# Altium PCB BytePipe_x9002_HDK_Rev2.PcbDoc (part 4 of 5) (continued)
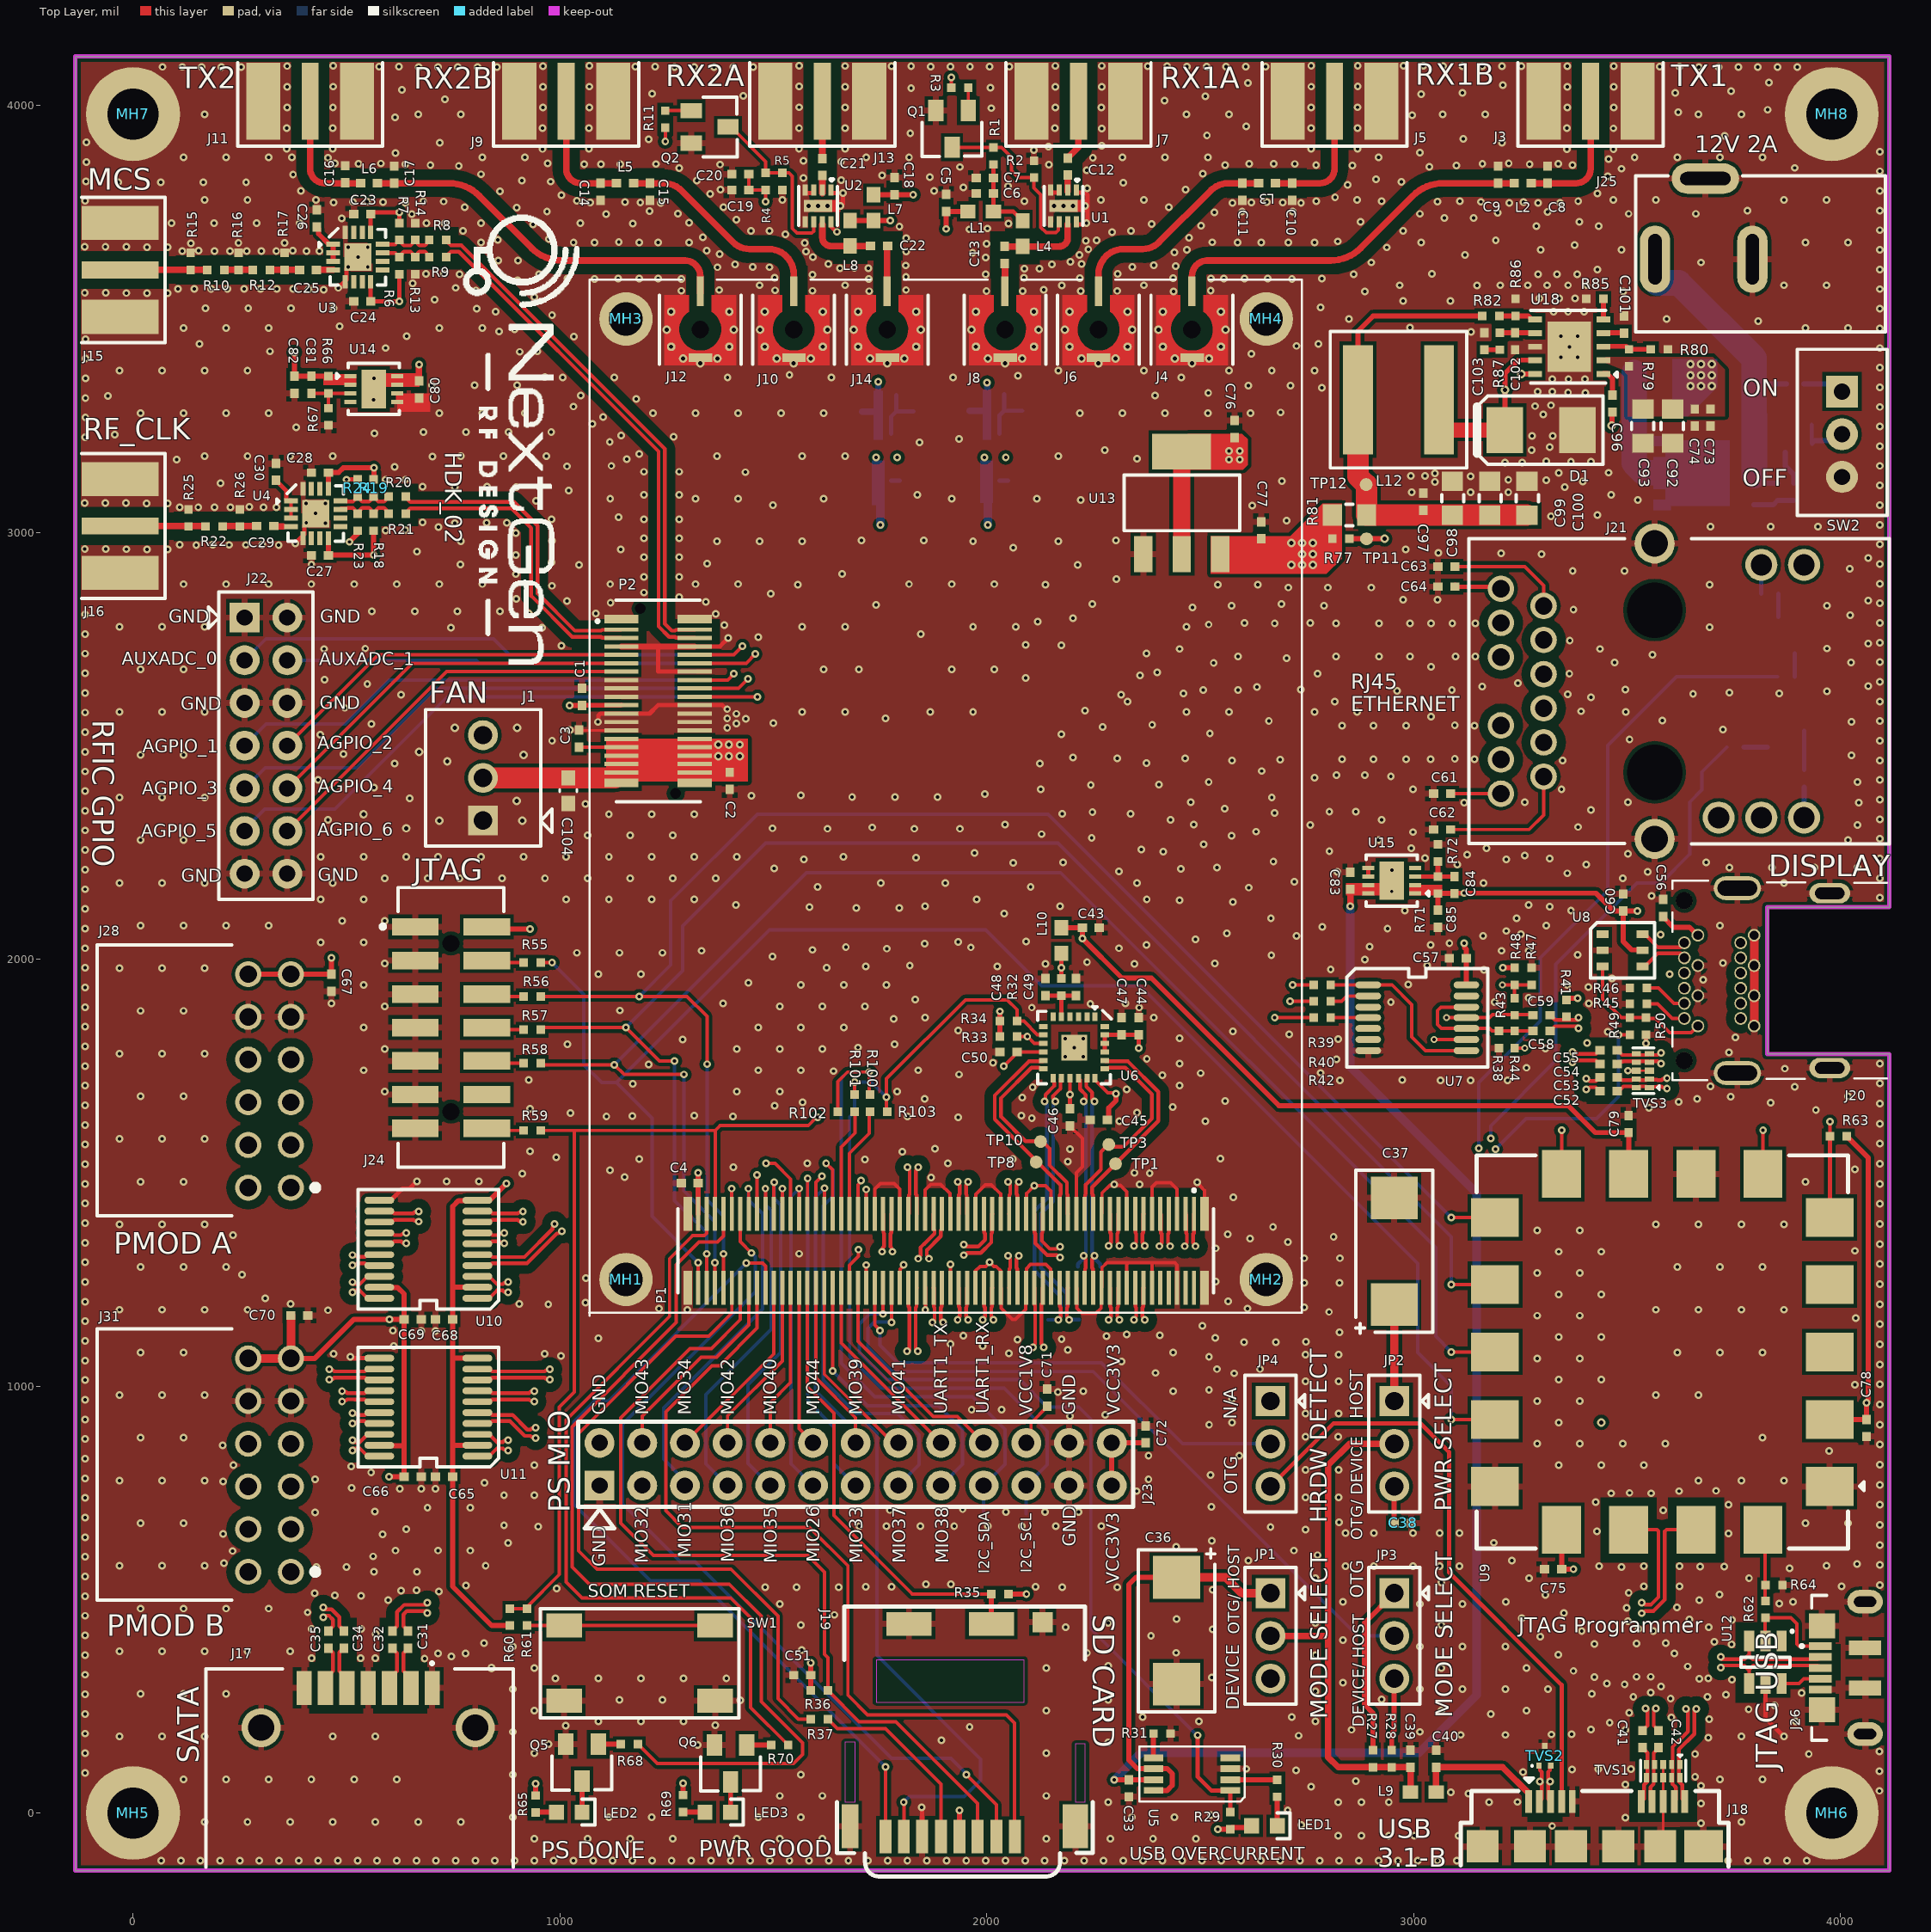
[diagram p0: Top Layer view]
## Nets (pads, with @x,y where several pads share a name; then routed paths per layer and width w, separated by ;. In a path a pad name is that pad's centre, name@x,y a point inside that pad or via, vN(x,y) a via of type N, cw(c..) or ccw(c..) an arc to the next point about the centre after c; other vN are vias at no path point) (continued)
  Top Layer w8: J24.14@829,1599 R59.2@915,1599
NetJ26_1: J26.1 R62.1 U12.2 | length 237.9
  Top Layer w8: U12.2@3824,403.06 3824,457 3884,457 3898,443 3898,396 3903,391 J26.1@3953,391
NetJ26_4: J26.4 U12.6 | length 95.5
  Top Layer w8: U12.6@3862.03,303.03 3903.03,303.03 3914,314 J26.4@3953,314
NetJP3_1: JP3.1 R27.2 | length 405.3
  Top Layer w12: R27.2@2905,147 2905,234 2885,254 2885,445 JP3.1@2955,515
NetJP3_3: JP3.3 R28.1 | length 170.5
  Top Layer w12: R28.1@2949,147 2949,187 2955,193 JP3.3@2955,315
NetLED1_1: LED1.1 R30.1 | length 68
  Top Layer w12: LED1.1@2681,-30 R30.1@2681,38
NetLED2_1: LED2.1 Q5.3 | length 73
  Top Layer w12: LED2.1@1052,2 Q5.3@1052,75
NetLED2_2: LED2.2 R65.2 | length 49
  Top Layer w12: R65.2@943,2 LED2.2@992,2
NetLED3_1: LED3.1 Q6.3 | length 71
  Top Layer w12: LED3.1@1400,2 Q6.3@1400,73
NetLED3_2: LED3.2 R69.2 | length 51
  Top Layer w12: R69.2@1289,2 LED3.2@1340,2
NetQ1_1: Q1.1 R3.2 | length 53.7
  Top Layer w8: Q1.1@1957,3988.31 R3.2@1957,4042
NetQ1_3: Q1.3 R1.2 R2.2 U1.6 | length 432.3
  Top Layer w8: Q1.3@1918.86,3902.17 1919.03,3902 R1.2@2016,3902 2035,3902 2058,3879 2058,3847.76 2074.76,3831 R2.2@2111,3831 2111,3807 2127,3791 2127,3714.86 2139.86,3702 2162,3702 2168,3708 2168,3726 U1.6@2170,3728
NetQ2_1: Q2.1 R11.2 | length 61
  Top Layer w8: R11.2@1247,3988 Q2.1@1308,3988
NetQ2_3: Q2.3 R4.2 R5.2 U2.6 | length 408.7
  Top Layer w8: Q2.3@1394,3950 1401,3950 1482,3869 R4.2@1482,3842 R5.2@1521,3842 1537,3842 1545,3834 1545,3712 1556,3701 1590.31,3701 1595,3705.69 U2.6@1595,3721
NetQ3_1: Q3.1 R52.1 | length 55
  Bottom Layer w12: R52.1@3774,2497 Q3.1@3829,2497
NetQ3_3: Q3.3 R51.1 | length 92
  Bottom Layer w10: R51.1@3915,2443 Q3.3@3915,2535
NetQ4_1: Q4.1 R54.1 | length 54
  Bottom Layer w10: R54.1@3893,2662 Q4.1@3893,2716
NetQ4_3: Q4.3 R53.1 | length 54
  Bottom Layer w10: Q4.3@3855,2802 R53.1@3855,2856
NetQ5_1: Q5.1 R68.1 | length 53
  Top Layer w12: Q5.1@1090,161 R68.1@1143,161
NetQ6_1: Q6.1 R70.1 | length 57
  Top Layer w12: Q6.1@1438,159 R70.1@1495,159
NetQ7_4: Q7.4 R78.2 R83.1 | length 97.6
  Bottom Layer w12: Q7.4@3797.56,3065 3837,3065 3843,3065 R78.2@3853,3075 R83.1@3891,3075
NetQ8_1: Q8.1 R88.1 SW2.2 | length 115.3
  Bottom Layer w10: Q8.1@3933,3213 R88.1@3933,3252
  Bottom Layer w12: Q8.1@3933.97,3208.97 3939.97,3214.97 3994.97,3214.97 SW2.2@4004,3224
NetQ8_3: Q8.3 R83.2 | length 81.3
  Bottom Layer w12: Q8.3@3871,3188 3871,3156 3891,3136 R83.2@3891,3115
NetR10_1: R10.1 R12.2 R16.1 | length 67
  Top Layer w15.35: R10.1@214,3615 R16.1@247,3615 R12.2@281,3615
NetR30_2: R30.2 U5.2 | length 110
  Top Layer w12: U5.2@2571,78 R30.2@2681,78
NetR31_1: R31.1 U5.5 | length 57
  Top Layer w12: U5.5@2391,129 R31.1@2391,186
NetR40_1: R40.1 U7.2 | length 93
  Top Layer w8: R40.1@2806,1902 2832,1902 2844,1914 U7.2@2894,1914
NetR42_1: R42.1 U7.4 | length 88
  Top Layer w8: R42.1@2806,1863 U7.4@2894,1863
NetR43_2: R43.2 R44.2 R47.2 R48.2 | length 293
  Top Layer w8: v3@3209,1940 R48.2@3237,1940 ; R44.2@3237,1792 v3(3261,1792) ; R43.2@3237,1909 R48.2@3237,1940 ; R47.2@3277,1940 R48.2@3237,1940
  L3-SIG w8: v3(3208,1940) 3261,1887 v3(3261,1792)
NetR61_1: R61.1 SW1.1 SW1.2 | length 423
  Top Layer w8: R61.1@923,439 SW1.2@992,439 ; SW1.2@1010,439 SW1.1@1364,439
NetR62_2: R62.2 R64.1 U9.18 | length 181
  Top Layer w8: R62.2@3824,497 3824,534 3824,663 U9.18@3839,663
NetR77_2: R77.2 TP11.1 U18.10 | length 681.8
  Top Layer w12: R77.2@2850,2985 TP11.1@2889.97,2985.03 ; TP11.1@2889.97,2985.03 v2@2931.97,2985.03 ; v2@3253.73,3371.27 3254,3371 U18.10@3285,3371
  L3-SIG w12: v2(2932,2985) 2932,3123 3188.03,3379.03 3242.8,3379.03 3250.84,3371 v2(3253,3371)
NetR79_1: R79.1 R80.2 U18.3 | length 113.9
  Top Layer w12: U18.3@3445,3436 3498,3436 R79.1@3505,3429 R80.2@3556,3429
NetR82_1: R82.1 R86.1 U18.6 | length 86.9
  Top Layer w12: R82.1@3201,3507 R86.1@3239,3507 3269,3507 3276,3500 U18.6@3285,3500
NetR84_2: R84.2 SW2.1 | length 99.9
  Bottom Layer w12: R84.2@3914,3348 3980,3348 SW2.1@4004,3324
NetR85_1: R85.1 U18.5 | length 47
  Top Layer w12: U18.5@3445,3500 R85.1@3445,3547
PMOD_A0_N: J28.2 U10.18 | length 748.4
  Top Layer w8.75: v1@515.24,1238.87 531.39,1238.87 549.51,1257 U10.18@577,1257
  L6-SIG w5.5: J28.2@370,1565 376.08,1558.92 376.08,1526.24 381.57,1520.75 445.51,1520.75 462.5,1503.76 462.5,1440.2 396.78,1374.48 340.48,1374.48 313.5,1347.5 313.5,1274.76 350.98,1237.29 504.39,1237.29 510.64,1243.54 v1(513.86,1243.54)
PMOD_A0_P: J28.1 U10.20 | length 769
  Top Layer w8.75: v1@515.24,1224.12 531.39,1224.12 549.51,1206 U10.20@577,1206
  L6-SIG w5.5: J28.1@370,1465 376.08,1471.08 376.08,1503.76 381.57,1509.25 440.75,1509.25 451,1499 451,1444.96 392.02,1385.98 335.72,1385.98 302,1352.26 302,1270 346.21,1225.79 397,1225.79 402,1220.79 402,1214 406,1210 421,1210 425,1214 425,1220 430.79,1225.79 504.39,1225.79 510.64,1219.54 v1(513.86,1219.54)
PMOD_A1_N: J28.4 U10.16 | length 714.2
  Top Layer w8.75: v1(514,1307) 515.77,1305.23 523.06,1305.23 525.66,1302.62 542.66,1302.62 548.04,1308 U10.16@577,1308
  L6-SIG w5.5: J28.4@370,1765 370,1723.97 373.22,1720.75 428.51,1720.75 452.26,1697 461,1697 466,1702 471,1702 478,1695 478,1689 473,1684 473,1676.26 516.78,1632.48 516.78,1401.14 465,1349.35 465,1310.07 474.32,1300.75 504.53,1300.75 510.78,1307 v1(514,1307)
PMOD_A1_P: J28.3 U10.17 | length 692.3
  Top Layer w8.75: v1(514,1283) 515.77,1284.77 523.06,1284.77 526.16,1287.88 542.66,1287.88 548.04,1282.5 U10.17@577,1282.5
  L6-SIG w5.5: J28.3@370,1665 370,1706.03 373.22,1709.25 423.75,1709.25 505.28,1627.72 505.28,1405.9 453.5,1354.12 453.5,1305.3 469.56,1289.25 504.53,1289.25 510.78,1283 v1(514,1283)
PMOD_A2_N: J28.8 U10.14 | length 711.4
  Top Layer w8.75: U10.14@577,1359 605.96,1359 611.34,1353.62 627.84,1353.62 630.94,1356.73 638.23,1356.73 v1(640,1358.5)
  L3-SIG w5.5: J28.8@270,1565 270,1523.97 273.22,1520.75 482.51,1520.75 498.5,1504.76 498.5,1466.24 454.13,1421.87 454.13,1383.13 484.76,1352.5 561.5,1352.5 567,1358 567,1367 571,1371 585,1371 590,1366 590,1357.5 595,1352.5 630.78,1352.5 636.78,1358.5 v1(640,1358.5)
PMOD_A2_P: J28.7 U10.15 | length 685.8
  Top Layer w8.75: U10.15@577,1333.5 605.96,1333.5 611.34,1338.87 628.34,1338.87 630.94,1336.27 638.23,1336.27 v1(640,1334.5)
  L3-SIG w5.5: J28.7@270,1465 270,1506.03 273.22,1509.25 477.75,1509.25 487,1500 487,1471 442.63,1426.63 442.63,1378.37 480,1341 630.28,1341 636.78,1334.5 v1(640,1334.5)
PMOD_A3_N: J28.10 U10.12 | length 769.9
  Top Layer w8.75: U10.12@577,1410 605.96,1410 611.34,1404.62 656.8,1404.62 659.9,1407.73 667.19,1407.73 v1(668.96,1409.5)
  L3-SIG w5.5: J28.10@270,1765 270,1723.97 273.22,1720.75 413.51,1720.75 454.13,1680.13 463.13,1680.13 468,1685 474,1685 482,1677 482,1672 477,1667 477,1657.26 548.98,1585.29 548.98,1456.29 602.01,1403.25 659.49,1403.25 665.74,1409.5 v1(668.96,1409.5)
PMOD_A3_P: J28.9 U10.13 | length 747
  Top Layer w8.75: U10.13@577,1384.5 605.96,1384.5 611.34,1389.88 657.3,1389.88 659.9,1387.27 667.19,1387.27 v1(668.96,1385.5)
  L3-SIG w5.5: J28.9@270,1665 270,1706.03 273.22,1709.25 408.75,1709.25 537.48,1580.52 537.48,1451.52 597.25,1391.75 659.49,1391.75 665.74,1385.5 v1(668.96,1385.5)
PMOD_B0_N: J31.2 U11.18 | length 469.7
  Top Layer w8.75: v1@515.24,868.87 531.39,868.87 549.51,887 U11.18@577,887
  L6-SIG w5.5: J31.2@370,665 380.61,654.39 380.61,626.24 386.1,620.75 448.49,620.75 466.92,639.18 466.92,838.93 495.07,867.08 504.18,867.08 510.64,873.54 v1(513.86,873.54)
PMOD_B0_P: J31.1 U11.20 | length 469.5
  Top Layer w8.75: v1@515.24,854.12 531.39,854.12 549.51,836 U11.20@577,836
  L6-SIG w5.5: J31.1@370,565 380.61,575.61 380.61,603.76 386.1,609.25 453.25,609.25 478.42,634.42 478.42,834.17 499.83,855.58 504.43,855.58 510.48,849.54 v1(513.86,849.54)
PMOD_B1_N: J31.4 U11.16 | length 342.5
  Top Layer w8.75: v1(514,937) 515.77,935.23 523.06,935.23 525.66,932.62 542.66,932.62 548.04,938 U11.16@577,938
  L6-SIG w5.5: J31.4@370,865 378.23,856.77 378.23,826.24 383.72,820.75 416.15,820.75 427.76,832.37 427.76,912.71 445.8,930.75 504.53,930.75 510.78,937 v1(514,937)
PMOD_B1_P: J31.3 U11.17 | length 342.7
  Top Layer w8.75: v1(514,913) 515.77,914.77 523.06,914.77 526.16,917.88 542.66,917.88 548.04,912.5 U11.17@577,912.5
  L6-SIG w5.5: J31.3@370,765 378.23,773.23 378.23,803.76 383.72,809.25 420.91,809.25 439.26,827.6 439.26,907.95 450.56,919.25 504.53,919.25 510.78,913 v1(514,913)
PMOD_B2_N: J31.8 U11.14 | length 697.5
  Top Layer w8.75: v1(489.62,988.37) 491.39,986.6 498.68,986.6 501.54,983.74 525.15,983.74 525.26,983.62 542.66,983.62 548.04,989 U11.14@577,989
  L3-SIG w5.5: J31.8@270,665 270,623.97 273.22,620.75 401.9,620.75 458.12,676.96 458.12,714.88 439,734 439,746.88 458.12,766 458.12,977.12 463.12,982.12 480.15,982.12 486.4,988.37 v1(489.62,988.37)
PMOD_B2_P: J31.7 U11.15 | length 678.7
  Top Layer w8.75: v1(489.62,964.37) 491.39,966.14 498.68,966.14 501.54,968.99 519.04,968.99 519.15,968.87 542.66,968.87 548.04,963.5 U11.15@577,963.5
  L3-SIG w5.5: J31.7@270,565 270,606.03 273.22,609.25 406.67,609.25 469.62,672.2 469.62,967.4 472.84,970.62 480.15,970.62 486.4,964.37 v1(489.62,964.37)
PMOD_B3_N: J31.10 U11.12 | length 552.1
  Top Layer w8.75: v1(459.58,1039.28) 461.35,1037.51 468.64,1037.51 471.49,1034.65 495.1,1034.65 ; 495.13,1034.62 542.66,1034.62 548.04,1040 U11.12@577,1040
  L3-SIG w5.5: J31.10@270,865 270,823.97 273.22,820.75 410.4,820.75 423.08,833.43 423.08,1017.95 438.16,1033.03 450.11,1033.03 456.36,1039.28 v1(459.58,1039.28)
PMOD_B3_P: J31.9 U11.13 | length 552.1
  Top Layer w8.75: v1(459.58,1015.28) 461.35,1017.05 468.64,1017.05 471.49,1019.9 488.99,1019.9 ; 489.02,1019.88 542.66,1019.88 548.04,1014.5 U11.13@577,1014.5
  L3-SIG w5.5: J31.9@270,765 270,806.03 273.22,809.25 415.16,809.25 434.58,828.67 434.58,1013.18 442.92,1021.53 450.11,1021.53 456.36,1015.28 v1(459.58,1015.28)
PS_DONE: P1.113 R68.2 | length 2267.7
  Top Layer w8: R68.2@1183,161 1228,116 1548,116 1569,137 1569,164 1472,261 1472,461 1397,536 1069,536 1028.99,576.01 1028.99,904.99 1273,1149 1273,1284 1326.27,1337.27 1369.27,1337.27 1383.35,1351.35 P1.113@1383.35,1403.61
PS_JTAG_TCK: P1.114 R56.1 U9.10 | length 3701.5
  Top Layer w8: R56.1@955,1913 v1(1186,1913) 1298,1913 1344.83,1866.17 v1(1344.83,1754.17) ; P1.114@1383.19,1250.65 v1@1383.19,1309.9 ; v1@3089.03,1395 U9.10@3191,1395
  Bottom Layer w8: v1(1186,1913) 1260,1987 1260,2137 1463,2340 2144.03,2340 v1(3088.89,1395.13) ; v1(1344.83,1754.17) 1344.83,1436.45 1383.07,1398.21 1383.07,1310.01 v1(1383.11,1309.97)
PS_JTAG_TDI: P1.116 R58.1 U9.12 | length 3712.7
  Top Layer w8: R58.1@955,1757 959,1753 v1(1128,1753) 1151,1730 v1(1291,1730) ; P1.116@1363.66,1230.39 v1@1363.66,1289.63 ; v1@3089.03,1080 U9.12@3191,1080
  Bottom Layer w8: v1(1128,1753) 1578,2203 2173.49,2203 3052.22,1324.28 3052.22,1116.81 v1(3088.89,1080.13) ; v1(1291,1730) 1291,1457.79 1363.59,1385.2 v1(1363.59,1289.7)
PS_JTAG_TDO: P1.118 R57.1 U9.11 | length 3660.6
  Top Layer w8: R57.1@955,1835 960,1840 v1(1155,1840) 1233,1762 v1(1269,1762) ; P1.118@1344.03,1250.65 v1@1344.03,1309.9 ; v1@3089.03,1238 U9.11@3191,1238
  Bottom Layer w8: v1(1155,1840) 1288,1973 1288,2078 1482,2272 2166.59,2272 3088.89,1349.69 v1(3088.89,1238.13) ; v1(1269,1762) 1269,1434.45 1343.96,1359.49 v1(1343.96,1309.97)
PS_JTAG_TMS: P1.120 R55.1 U9.13 | length 3799.7
  Top Layer w8: R55.1@955,1992 v1(982,1992) ; P1.120@1324.29,1230.39 v1@1324.29,1289.63 ; v1(3088.89,922.13) 3089.03,922 U9.13@3191,922
  Bottom Layer w8: v1(982,1992) 1056,1918 1056,1753 1098,1711 1133,1711 ; v1(1324.22,1289.7) 1216.22,1397.7 1216.22,1627.78 1133,1711 ; v1(3088.89,922.13) 3088.89,999.59 3009.84,1078.64 3009.84,1287.09 2358.97,1937.97 2129.03,1937.97 1998,2069 1491,2069 1133,1711
PS_SRST_N: P1.115 R59.1 R60.1 R61.2 U9.9 | length 3921.2
  Top Layer w8: R60.1@883,479 R61.2@923,479 923,482.87 998.78,558.65 998.78,950.86 1034,986.08 1034,1599 ; R59.1@955,1599 1034,1599 ; P1.115@1363.66,1403.61 1363.83,1403.78 1363.83,1599 1034,1599 ; 1363.83,1599.01 1375.82,1611 1582.29,1611 1601.29,1630 v1(1604,1630) ; U9.9@3347,1497 v1@3347,1598.97
  L6-SIG w8: v1(1604,1630) 1634.89,1599.11 v1(3347.13,1599.11)
PWR_GOOD: P1.117 R70.2 | length 1815.5
  Top Layer w8: P1.117@1343.98,1403.61 1343.98,1358.27 1338.06,1352.36 1311.36,1352.36 1257,1298 1257,1162.98 1014.99,920.97 1014.99,541.43 1052.42,504 1400,504 1446.94,457.06 1446.94,247.06 R70.2@1535,159
RF_CLK0_N: R19.2 R20.2 R24.1 U4.12 | length 145.7
  Top Layer w8.75: U4.12@486.04,3074.81 487.66,3073.19 501.91,3073.19 502.91,3072.19 515.29,3072.19 520.41,3077.31 520.41,3079.19 526.04,3084.81 531.66,3079.19 531.66,3077.31 536.79,3072.19 553.29,3072.19 558.41,3077.31 558.41,3079.19 564.04,3084.81 569.66,3079.19 569.66,3077.31 574.79,3072.19 588.29,3072.19 593.41,3077.31 593.41,3079.19 R20.2@599.04,3084.81
RF_CLK0_P: R18.2 R21.2 R23.1 U4.11 | length 145.7
  Top Layer w8.75: U4.11@486.04,3054.81 487.66,3056.44 501.91,3056.44 502.91,3057.44 515.29,3057.44 520.41,3052.31 520.41,3050.44 526.04,3044.81 531.66,3050.44 531.66,3052.31 536.79,3057.44 553.29,3057.44 558.41,3052.31 558.41,3050.44 564.04,3044.81 569.66,3050.44 569.66,3052.31 574.79,3057.44 588.29,3057.44 593.42,3052.31 593.42,3050.44 R21.2@599.04,3044.81
RF_CLK_N: P2.03 R20.1 | length 729.7
  Top Layer w8.75: R20.1@639,3084 644.62,3078.38 644.62,3076.5 649.75,3071.37 662.12,3071.37 892.48,3071.38 947.75,3016.11 947.75,2857.25 1035.14,2769.86 1097.04,2769.86 1098.88,2771.7 1142.76,2771.7 P2.03@1143.39,2772.32
RF_CLK_P: P2.05 R21.1 | length 729.7
  Top Layer w8.75: R21.1@639,3044 644.62,3049.62 644.62,3051.5 649.75,3056.62 668.23,3056.62 886.38,3056.62 933,3010 933,2851.14 1029.04,2755.11 1097.04,2755.11 1098.88,2753.26 1142.76,2753.26 P2.05@1143.39,2752.64
SATA_RX_N: C34.2 J17.5 | length 104.3
  Top Layer w8.75: C34.2@493,386 483.38,376.38 483.38,332.62 501,315 J17.5@501,293
SATA_RX_P: C35.2 J17.6 | length 104.7
  Top Layer w8.75: J17.6@451,293 451,315 468.62,332.62 468.62,375.38 C35.2@458,386
SATA_TX_N: C32.2 J17.3 | length 104.7
  Top Layer w8.75: J17.3@601,293 601,315 618.62,332.62 618.62,374.38 608,385 C32.2@608,386
SATA_TX_P: C31.2 J17.2 | length 104.7
  Top Layer w8.75: C31.2@644,386 644,385 633.38,374.38 633.38,332.62 651,315 J17.2@651,293
UART0_RX: P1.84 U9.6 | length 2435.2
  Top Layer w8: P1.84@1678.62,1230.39 1678.62,1282.92 1700,1304.3 v1(1700,1320) ; U9.6@3819,1497 v1@3819,1598.97
  L6-SIG w8: v1(1700,1320) 1772.51,1392.51 2474.31,1392.51 2494.8,1413 2661,1413 2707,1459 3209,1459 3300,1550 3660,1550 3709.11,1599.11 v1(3819.13,1599.11)
UART0_TX: P1.80 R63.2 U9.5 | length 2689.4
  Top Layer w8: P1.80@1716.99,1231.39 P1.80@1717.99,1230.39 v1@1717.99,1285.01 ; R63.2@3975.5,1583 3975.5,1592 v1(3975.5,1619.38)
  Top Layer w10: U9.5@3975,1395 3975.5,1395.5 R63.2@3975.5,1583
  L6-SIG w8: v1(1718.14,1283.77) 1718.14,1305.01 1780.54,1367.41 2489.59,1367.41 2516.18,1394 2776,1394 2802,1420 3263,1420 3313,1470 3826.12,1470 v1(3975.5,1619.38)
UART1_RX: J23.18 P1.86 | length 463.2
  Top Layer w8: P1.86@1658.94,1230.39 1658.94,1101.06 J23.18@1893,867
  Bottom Layer w8: J23.18@1891,869 J23.18@1893,867
UART1_TX: J23.20 P1.82 | length 534.8
  Top Layer w8: P1.82@1698.31,1230.39 1698.31,1104.69 1874.5,928.5 1931.5,928.5 J23.20@1993,867
  Bottom Layer w8: J23.20@1993,867 J23.20@1993,883
USB3_TX0_N: C42.2 J18.7 TVS1.4 TVS1.7 | length 135.4
  Top Layer w8.75: J18.7@3558.78,27 3555,30.78 3555,60.14 3562.88,68.02 3562.88,140.88 3574,152 C42.2@3574,153
USB3_TX0_P: C41.2 J18.6 TVS1.5 TVS1.6 | length 136.6
  Top Layer w8.75: J18.6@3533.78,27 3540,33.22 3540,66 3548.12,74.12 3548.12,140.88 3537,152 C41.2@3537,153
USB_CPEN: P1.76 R29.2 U5.1 | length 1882.2
  Top Layer w8: v1(1757.01,1169.01) 1757.19,1169.19 1757.19,1230.21 P1.76@1757.36,1230.39
  Top Layer w10: v1(2494,182) 2494,85 2526,53 U5.1@2571,53 R29.2@2571,2
  Bottom Layer w8: v1(1757.01,1169.01) 1726,1169 1702,1145 1702,1079 1766,1015 2078,1015 2141.82,951.18 2215.82,951.18 2244,923 2244,431 v1@2493.5,181.5
USB_ID: JP4.2 P1.78 | length 1150.2
  Top Layer w8: P1.78@1737.68,1230.39 1737.68,1142.86 v1(1749.96,1130.57)
  Bottom Layer w8: v1(1749.96,1130.57) 1749.96,1096.04 1791,1055 2269,1055 2459,865 JP4.2@2665,865
USB_ID_PIN: J18.4 JP4.3 | length 1435.4
  Top Layer w10: JP4.3@2665,765 2813,913 3016,913 3083.5,845.5 3083.5,563.5 3347,300 J18.4@3347,27
USB_JTAG_N: J26.2 U9.16 U12.3 | length 820.9
  Top Layer w8.75: U9.16@3504,663 3505,664 3570.5,664 3574,660.5 3574,505.88 3556,487.88 3542.63,487.88 3537.5,493 v1(3535,493) ; v1@3722,360.41 3774.41,360.41 ; 3774.91,360.41 3786.53,372.03 ; U12.3@3786.5,403 3786.53,372.03 ; J26.2@3953.5,366 3947.88,360.38 3795.12,360.38 3786.53,368.97 3786.53,372.03
  L3-SIG w5.5: v1(3535,493) 3537.72,493 3544.47,486.25 3566.01,486.25 3644.26,408 3649,408 3655,414 3666,414 3671.94,408.06 3671.94,398.81 3665.34,392.21 3665.34,386.92 3693.51,358.75 3710.53,358.75 3717.28,365.5 v1(3720,365.5)
USB_JTAG_P: J26.3 U9.17 U12.4 | length 820.9
  Top Layer w8.75: v1(3535,468) 3537.5,468 3542.63,473.12 3562.11,473.12 3588.75,499.77 3588.75,659.75 3593,664 3661,664 U9.17@3662,663 ; v1@3722,345.66 3774.34,345.66 ; 3774.84,345.66 3786.53,333.97 ; U12.4@3786.5,303 3786.53,333.97 ; J26.3@3953.5,340 3947.87,345.63 3796.13,345.63 3786.53,336.03 3786.53,333.97
  L3-SIG w5.5: v1(3535,468) 3537.72,468 3544.47,474.75 3561.25,474.75 3688.75,347.25 3710.53,347.25 3717.28,340.5 v1(3720,340.5)
USB_N: J18.2 P1.38 TVS2.1 | length 2305.1
  Top Layer w8.75: P1.38@2131.38,1230.39 2131.38,1195.39 2128.23,1192.24 2128.23,1098.85 2133.36,1093.72 v1(2133.36,1091.22) ; TVS2.1@3294,111 3296.12,108.88 3296.12,100.62 3300.62,96.12 3300.62,78.62 v1(3296,74) ; J18.2@3295,27 3300.62,32.62 v1@3300.62,72.38
  L3-SIG w5.5: v1(2133.36,1091.22) 2133.36,1088.5 2126.61,1081.75 2126.61,1034.91 2140.41,1021.11 2259.66,1021.11 2489,791.76 2489,285.47 2782.27,-7.81 3083.19,-7.81 3087.54,-3.46 3087.54,10.54 3093,16 3114,16 3117.26,12.74 3117.26,-2.26 3122.81,-7.81 3283.19,-7.81 3302.25,11.25 3302.25,64.53 3296,70.78 v1(3296,74)
USB_P: J18.3 P1.40 TVS2.2 | length 2305.5
  Top Layer w8.75: v1(2108.36,1091.22) 2108.36,1093.72 2113.48,1098.85 2113.48,1189.78 2112.32,1190.95 2112.32,1229.76 P1.40@2111.69,1230.39 ; v1@3315.38,71.88 3315.38,32.62 J18.3@3321,27 ; v1(3320,74) 3315.38,78.62 3315.38,96.12 3319.88,100.62 3319.88,108.88 TVS2.2@3322,111
  L3-SIG w5.5: v1(2108.36,1091.22) 2108.36,1088.5 2115.11,1081.75 2115.11,1030.15 2135.65,1009.61 2254.89,1009.61 2477.5,787 2477.5,280.7 2777.51,-19.31 3287.96,-19.31 3313.75,6.49 3313.75,64.53 3320,70.78 v1(3320,74)
USB_VBUS: JP3.2 P1.74 | length 1700
  Top Layer w8: v1(1776.94,1149.03) 1776.94,1230.28 P1.74@1777.05,1230.39
  Bottom Layer w8: v1@1777,1151 1776.01,1150.01 1737.01,1150.01 1722,1135 1722,1091 1779,1034 2250,1034 2869,415 JP3.2@2955,415
VBUS: C39.1 JP1.2 JP2.2 L9.1 R27.1 R28.2 | length 1255.7
  Top Layer w15: JP1.2@2665,415 2800,415 ; JP2.2@2955,865 2850,865 2800,815 2800,415 ; L9.1@2993,49 C39.1@2993,107 R27.1@2905,107 2824,107 2800,131 2800,415
VCC1V8: C4.1 C43.1 C65.1 C68.1 C71.1 C79.1 J23.22 J24.2 L10.1 P1.119 R60.2 U9.8 U10.2 U10.10 U11.2 U11.10 | length 7524.2
  Top Layer w8: J23.22@2093,867 2104,878 2104,914 2142,952 C71.1@2142,953
  Top Layer w12: U11.2@807,861.5 750.5,861.5 749,863 ; U11.10@807,1065.5 749.5,1065.5 749,1066 ; U10.2@807,1231.5 749.5,1231.5 749,1232 ; J24.2@829,2071 v1(930,2071) ; v1(875,1475) 835,1435 807.5,1435 U10.10@807,1435.5 806.23,1434.73 762.73,1434.73 749,1421 749,1232 ; R60.2@883,439 840.5,439 749,530.5 C65.1@749,788 749,863 ; v1(1324.11,1499.92) 1324.11,1403.8 P1.119@1324.29,1403.61 ; L10.1@2175,2074 C43.1@2224,2074 v1(2224,2049) 2317,1956 2386,1956 2685,1657 3363,1657 3426,1594 C79.1@3504,1594 ; U9.8@3504,1497 3504,1592 C79.1@3506,1594 ; 749,863 749,1066 ; 749,1066 C68.1@749,1156 749,1232
  L5-PWR w12: v1(875,1475) 896.96,1453.04 1277.23,1453.04 v1(1324.11,1499.92)
  L5-PWR w20: J23.22@2093,867 2093,938 2050,981 1143,981 1000.72,1123.28 856.72,1123.28 795,1185 795,1395 v1(875,1475) 875,2016 v1(930,2071) 2202,2071 v1(2224,2049)
VCC3V3: C1.1 C51.1 C66.2 C67.1 C69.2 C70.1 C72.1 C75.1 C76.1 C78.1 J19.4 J21.14 J21.16 J23.25 J23.26 J28.6 J28.12 J31.6 J31.12 JP4.1 LED1.2 P2.21 R29.1 R33.1 R34.1 R35.1 R36.1 R41.2 R48.1 R63.1 R65.1 R69.1 U9.2 U9.15 U10.19 U11.19 U13.2 | length 4864.5
  Top Layer w12: J28.12@270,1965 J28.6@370,1965 C67.1@465,1965 v1(465,2003) ; J31.6@370,1065 426,1065 517,1156 v1(601,1156) C69.2@635,1156 ; U11.19@577.77,860.73 635,860.73 ; U10.19@577.77,1230.73 620.27,1230.73 635,1216 C69.2@635,1156 ; v1(600,788) C66.2@635,788 635,860.73 ; R65.1@943,41 v1(943,69) ; v1(1022.84,2595) C1.1@1052,2595 ; C1.1@1053,2595 1053.08,2595.08 1143.31,2595.08 P2.21@1143.39,2595.16 ; R69.1@1289,42 v1(1289,70) ; v1(1587.57,351.27) 1587.57,323.43 C51.1@1588,323 R36.1@1588,287 ; J19.4@1936,-61 v1(1936,6) ; R33.1@2031,1819 R34.1@2031,1855 v1(2031,1878) ; R35.1@2051,513 v1(2093,513) ; J23.25@2293,767 J23.26@2293,867 C72.1@2372,867 ; v1@2544,-38 R29.1@2571,-38 2575,-34 2617,-34 LED1.2@2621,-30 ; v1(3209,1980) R48.1@3237,1980 ; U9.15@3347,663 3347.18,662.82 C75.1@3347.18,571.03 ; C75.1@3347.21,571 v1(3375,571) ; R41.2@3355,1909 v1(3385,1909) ; U9.2@3975,922 C78.1@4061,922 4061,962.62 4065,966.62 4065,1535.5 R63.1@4015.5,1585 ; 635,860.73 C69.2@635,1156
  Top Layer w20: J31.12@270,1065 J31.6@370,1065 369.88,1065.12 369.88,1165.63 C70.1@369.76,1165.63
  Top Layer w40: U13.2@2457,2949 U13.2@2457,3189
  L5-PWR w15: v1(465,2003) 515,2053 515,2447 679,2611 1006.84,2611 v1(1022.84,2595)
  L5-PWR w20: v2(3440,915) 3441,914 3718,914 3765,961 v1(4061,961)
  other v1: 2542,-38 2568,3171 2593,3171 2568,3191 2593,3191
VCC3V3_DP: C56.1 C57.1 C60.1 C84.1 C85.1 J20.20 R71.2 U7.14 U8.5 U15.1 U15.2 | length 1129.8
  Top Layer w8: U8.5@3536,2022 U8.5@3537,2021 ; J20.20@3665.44,2056.3 J20.20@3666.22,2056.3
  Top Layer w12: C85.1@3057,2115 R71.2@3057,2154 3100,2154 3101,2155 v1(3119,2155) 3427.63,2155 3469.63,2113 C60.1@3491,2113 ; v1(3119,2038) 3120.15,2036.85 3120.15,2026.85 3124,2023 C57.1@3124,2002 U7.14@3124,1940 ; v1(3525,2113) C60.1@3491,2113 ; U8.5@3536,2022 3511,2022 3491,2042 C60.1@3491,2113 ; C56.1@3586,2098 3609,2075 3646.74,2075 J20.20@3665.44,2056.3
  L5-PWR w12: v1(3119,2038) v1(3119,2155) ; v1(3525,2113) 3555,2083 3639.52,2083 J20.20@3666.22,2056.3
VCC4V8_LNA0: C5.1 C87.1 C88.1 L1.1 R73.2 U16.1 U16.2 | length 559.8
  Top Layer w12: v1(1905,3711) C5.1@1905,3752 L1.1@1956,3752
  L5-PWR w16: v1(1905,3711) 1937,3679 1937,3415 v1(2001,3351)
  Bottom Layer w15: C88.1@1960,3285 R73.2@2001,3285 ; C87.1@2001,3324 v1(2001,3351)
VCC4V8_LNA1: C18.1 C90.1 C91.1 L7.1 R75.2 U17.1 U17.2 | length 746.4
  Top Layer w12: L7.1@1735,3791 C18.1@1784,3791 v1(1828,3791)
  L5-PWR w16: v1(1746,3353) 1851,3353 1887,3389 1887,3629 1851,3665 1851,3768 v1(1828,3791)
  Bottom Layer w15: C91.1@1708,3283 R75.2@1748,3283 ; C90.1@1746,3322 v1(1746,3353)
VCC5V0: C2.1 C3.1 C33.1 C77.1 C80.1 C83.1 C86.1 C89.1 C104.1 J1.2 JP1.3 P2.29 P2.30 P2.31 P2.32 P2.33 P2.34 P2.35 P2.36 P2.37 P2.38 P2.39 P2.40 R77.1 R81.2 U5.7 U13.3 U14.7 U14.8 U14.9 U15.7 U15.8 U15.9 U16.7 U16.8 U16.9 U17.7 U17.8 U17.9 | length 8916.4
  Top Layer w8: C3.1@1045,2496.37 1045.37,2496.73 P2.31@1143.39,2496.73 ; P2.38@1316.61,2437.68 1316.78,2437.84 1397.84,2437.84 C2.1@1398,2438
  Top Layer w10: U14.9@564,3336 574,3346 U14.7@619,3346 ; C83.1@2852,2161 2852,2159 C83.1@2857,2154 ; U15.7@2894,2174 2939,2174 U15.9@2949,2184 2949,2178 U15.9@2925,2154
  Top Layer w12: v1(2299,78) C33.1@2333,78 U5.7@2391,78
  Top Layer w15: U14.9@583,3366 U14.8@619,3366 C80.1@670,3366 ; C80.1@670,3355 C80.1@670,3366 ; v1(670,3393.55) C80.1@670,3366 ; v1(2852,2124) C83.1@2852,2159
  Top Layer w20: U14.9@564,3336 564,3347 U14.9@583,3366
  Top Layer w50: J1.2@820,2425 C104.1@1019.94,2425 ; C104.1@1019.97,2424.97 1129,2424.97 1144,2439.97 P2.35@1144,2457.36
  L5-PWR w12: 2259,2714 2262,2714
  L5-PWR w20: 2262,2714 v1(2852,2124) ; v1(2299,78) 2516.02,78 2665,226.97 JP1.3@2665,315
  L5-PWR w25: v1(670,3393.55) 1243.82,3393.55 1619.37,3018 v1(1751,3018) v1(2003,3018) 2425,3018 2494,2949
  L5-PWR w100: v2@1388,2473 1422,2473 2018,2473 2259,2714 2494,2949 v2(2739,2949)
  Bottom Layer w20: C89.1@1750,3077 1751,3077 v1(1751,3018) ; v1(2003,3018) 2003,3077 C86.1@2004,3077 ; v1(2299,78) 2362,141 3013,141 3148,276 3148,1452 2852,1748 v1(2852,2124)
  other v1: 2949,2159 2949.32,2208.65 1422,2503 1741,3176 1790.65,3175.68 1995,3176 2044.65,3175.68 564,3311 564.32,3360.65
  other v2: 1371,2476 1396,2476 1422,2476 1371,2503 1396,2503 2714,2924 2739,2924 2764,2924 2764,2949 2714,2975 2739,2975 2764,2975
VCC_RFCLK: C23.1 C24.1 C27.1 C28.1 C81.1 C82.1 R6.1 R7.1 R18.1 R19.1 R66.2 U3.8 U3.13 U4.8 U4.13 U14.1 U14.2 | length 1958.9
  Top Layer w8: R66.2@458,3366 U14.1@509,3366 ; R19.1@564.04,3124.81 R19.1@564.2,3124.98
  Top Layer w10: U14.2@509,3346 U14.1@509,3366 ; U3.8@557,3587 C24.1@557,3541 v1(624,3541) R6.1@624,3605 ; U3.13@557,3703 557,3750 v1(624,3750) R7.1@624,3725
  Top Layer w12: v2(378,3422) C82.1@378,3366 R66.2@458,3366 ; U4.8@458.04,2986.81 458.04,2946.81 v1(564.04,2946.81) R18.1@564.04,3004.81 ; U4.13@458.04,3102.81 458.04,3140.81 482.04,3140.81 492.58,3151.35 v1(564.2,3151.35) R19.1@564.2,3124.98
  L5-PWR w20: v1(564.04,2946.81) 564.04,3151.19 v1(564.2,3151.35) 378,3337.56 v2(378,3422) 505,3422 v1(624,3541) v1(624,3750)
pads on no net: "J4. " "J6. " "J8. " "J10. " "J12. " "J14. " "P2. " J1.3 J20. J20.10 J20.12 J20.15 J20.17 J21. J21.15 J24.12 J24.MH1 J24.MH2 P2. U3.6 U3.7 U3.9 U3.10 U3.14 U3.15 U4.6 U4.7 U4.9 U4.10 U4.14 U4.15 U5.4 U6.1 U6.2 U6.3 U6.4 U6.6 U6.7 U6.24 U7.3 U7.5 U7.6 U7.13 U8.1 U9.3 U9.4 U12.1 U14.4 U15.4 U16.4 U17.4

## Polygon pours and split planes (outlines as drawn)
GND on L5-PWR "L5-GND" (solid, pour order 2): -135,-135 -135,4115 4115,4115 4115,2122 3829,2122 3829,1778 4115,1778 4115,-135
VCC3V3 on L5-PWR "L5-3V3" (solid, pour order 0): 415,499 924,-10 1865,-10 1925,-70 2830,-70 3482,582 3482,2055.09 3993,2400.71 3993,2998 3692.03,3298.97 2490,3298.97 2490,3084 2809,3084 2852,3041 2852,2250 2751,2149 1445,2149 480,2149 415,2084
GND on L2-GND "L2-GND" (solid, pour order 5): -135,-135 -135,4115 4115,4115 4115,2122 3829,2122 3829,1778 4115,1778 4115,-135
GND on Bottom Layer "Bottom-GND" (solid, remove dead copper, pour order 10): -135,-135 -135,4115 4115,4115 4115,2122 3829,2122 3829,1778 4115,1778 4115,-135
GND on Top Layer "Top Layer-GND" (solid, remove dead copper, pour order 11): -135,-135 -135,4115 4115,4115 4115,2122 3829,2122 3829,1778 4115,1778 4115,-135
NetC73_2 on Top Layer "Bottom - GND" (solid, remove dead copper, pour order 4): 3502,3272 3730,3272 3730,3382 3701,3411 3450.27,3411 3450.27,3397 3490.6,3380.4 3502,3369
GND on L7-GND "L7-GND" (solid, remove dead copper, pour order 9): -135,-135 -135,4115 4115,4115 4115,2122 3829,2122 3829,1778 4115,1778 4115,-135
GND on L3-SIG "L3-GND" (solid, pour order 6): -135,-135 -135,4115 4115,4115 4115,2122 3829,2122 3829,1778 4115,1778 4115,-135
GND on L6-SIG "L6-GND" (solid, remove dead copper, pour order 7): -135,-135 -135,4115 4115,4115 4115,2122 3829,2122 3829,1778 4115,1778 4115,-135
GND on L4-GND "L4-GND" (solid, remove dead copper, pour order 8): -135,-135 -135,4115 4115,4115 4115,2122 3829,2122 3829,1778 4115,1778 4115,-135

## Keep-outs
Top Layer:
  the board outline again, w10
L4-GND:
  the board outline again, w10
L3-SIG:
  the board outline again, w10
L5-PWR:
  the board outline again, w10
L6-SIG:
  the board outline again, w10
L2-GND:
  the board outline again, w10
L7-GND:
  the board outline again, w10
Bottom Layer:
  the board outline again, w10

## Other copper
Top Layer:
  rectangle net GND: 619,3282 697,3326
  rectangle net GND: 2171,3751 2232,3779
  rectangle net GND: 1596,3751 1657,3779
  region net VCC5V0: 671,3371 571,3371 571,3341 671,3341
  region net VCC_RFCLK: 523,3371 446,3371 446,3345 523,3345
  rectangle net VCC3V3_DP: 2990,2149 3067,2175
  rectangle net VCC5V0: 2842,2149 2942,2179
  rectangle net VCC5V0: 1108,2416 1441,2517
  region net VCC3V3: 2458,3217 2472,3231 2599,3231 2612,3218 2612,3158 2601,3147 2472,3147 2458,3161
  region net VCC5V0: 2832,3067 2832,2939 2796,2903 2525,2903 2525,2991 2711,2991 2787,3067
  text ".Layer_Name" at 2837.03,-378.88 h75
L4-GND:
  text ".Layer_Name" at 2837.03,-378.88 h75
L3-SIG:
  text ".Layer_Name" at 2837.03,-378.88 h75
L5-PWR:
  text ".Layer_Name" at 2837.03,-378.88 h75
L6-SIG:
  text ".Layer_Name" at 2837.03,-378.88 h75
L2-GND:
  text ".Layer_Name" at 2837.03,-378.88 h75
L7-GND:
  text ".Layer_Name" at 2837.03,-378.88 h75